# KiCad board -Z.kicad_pcb
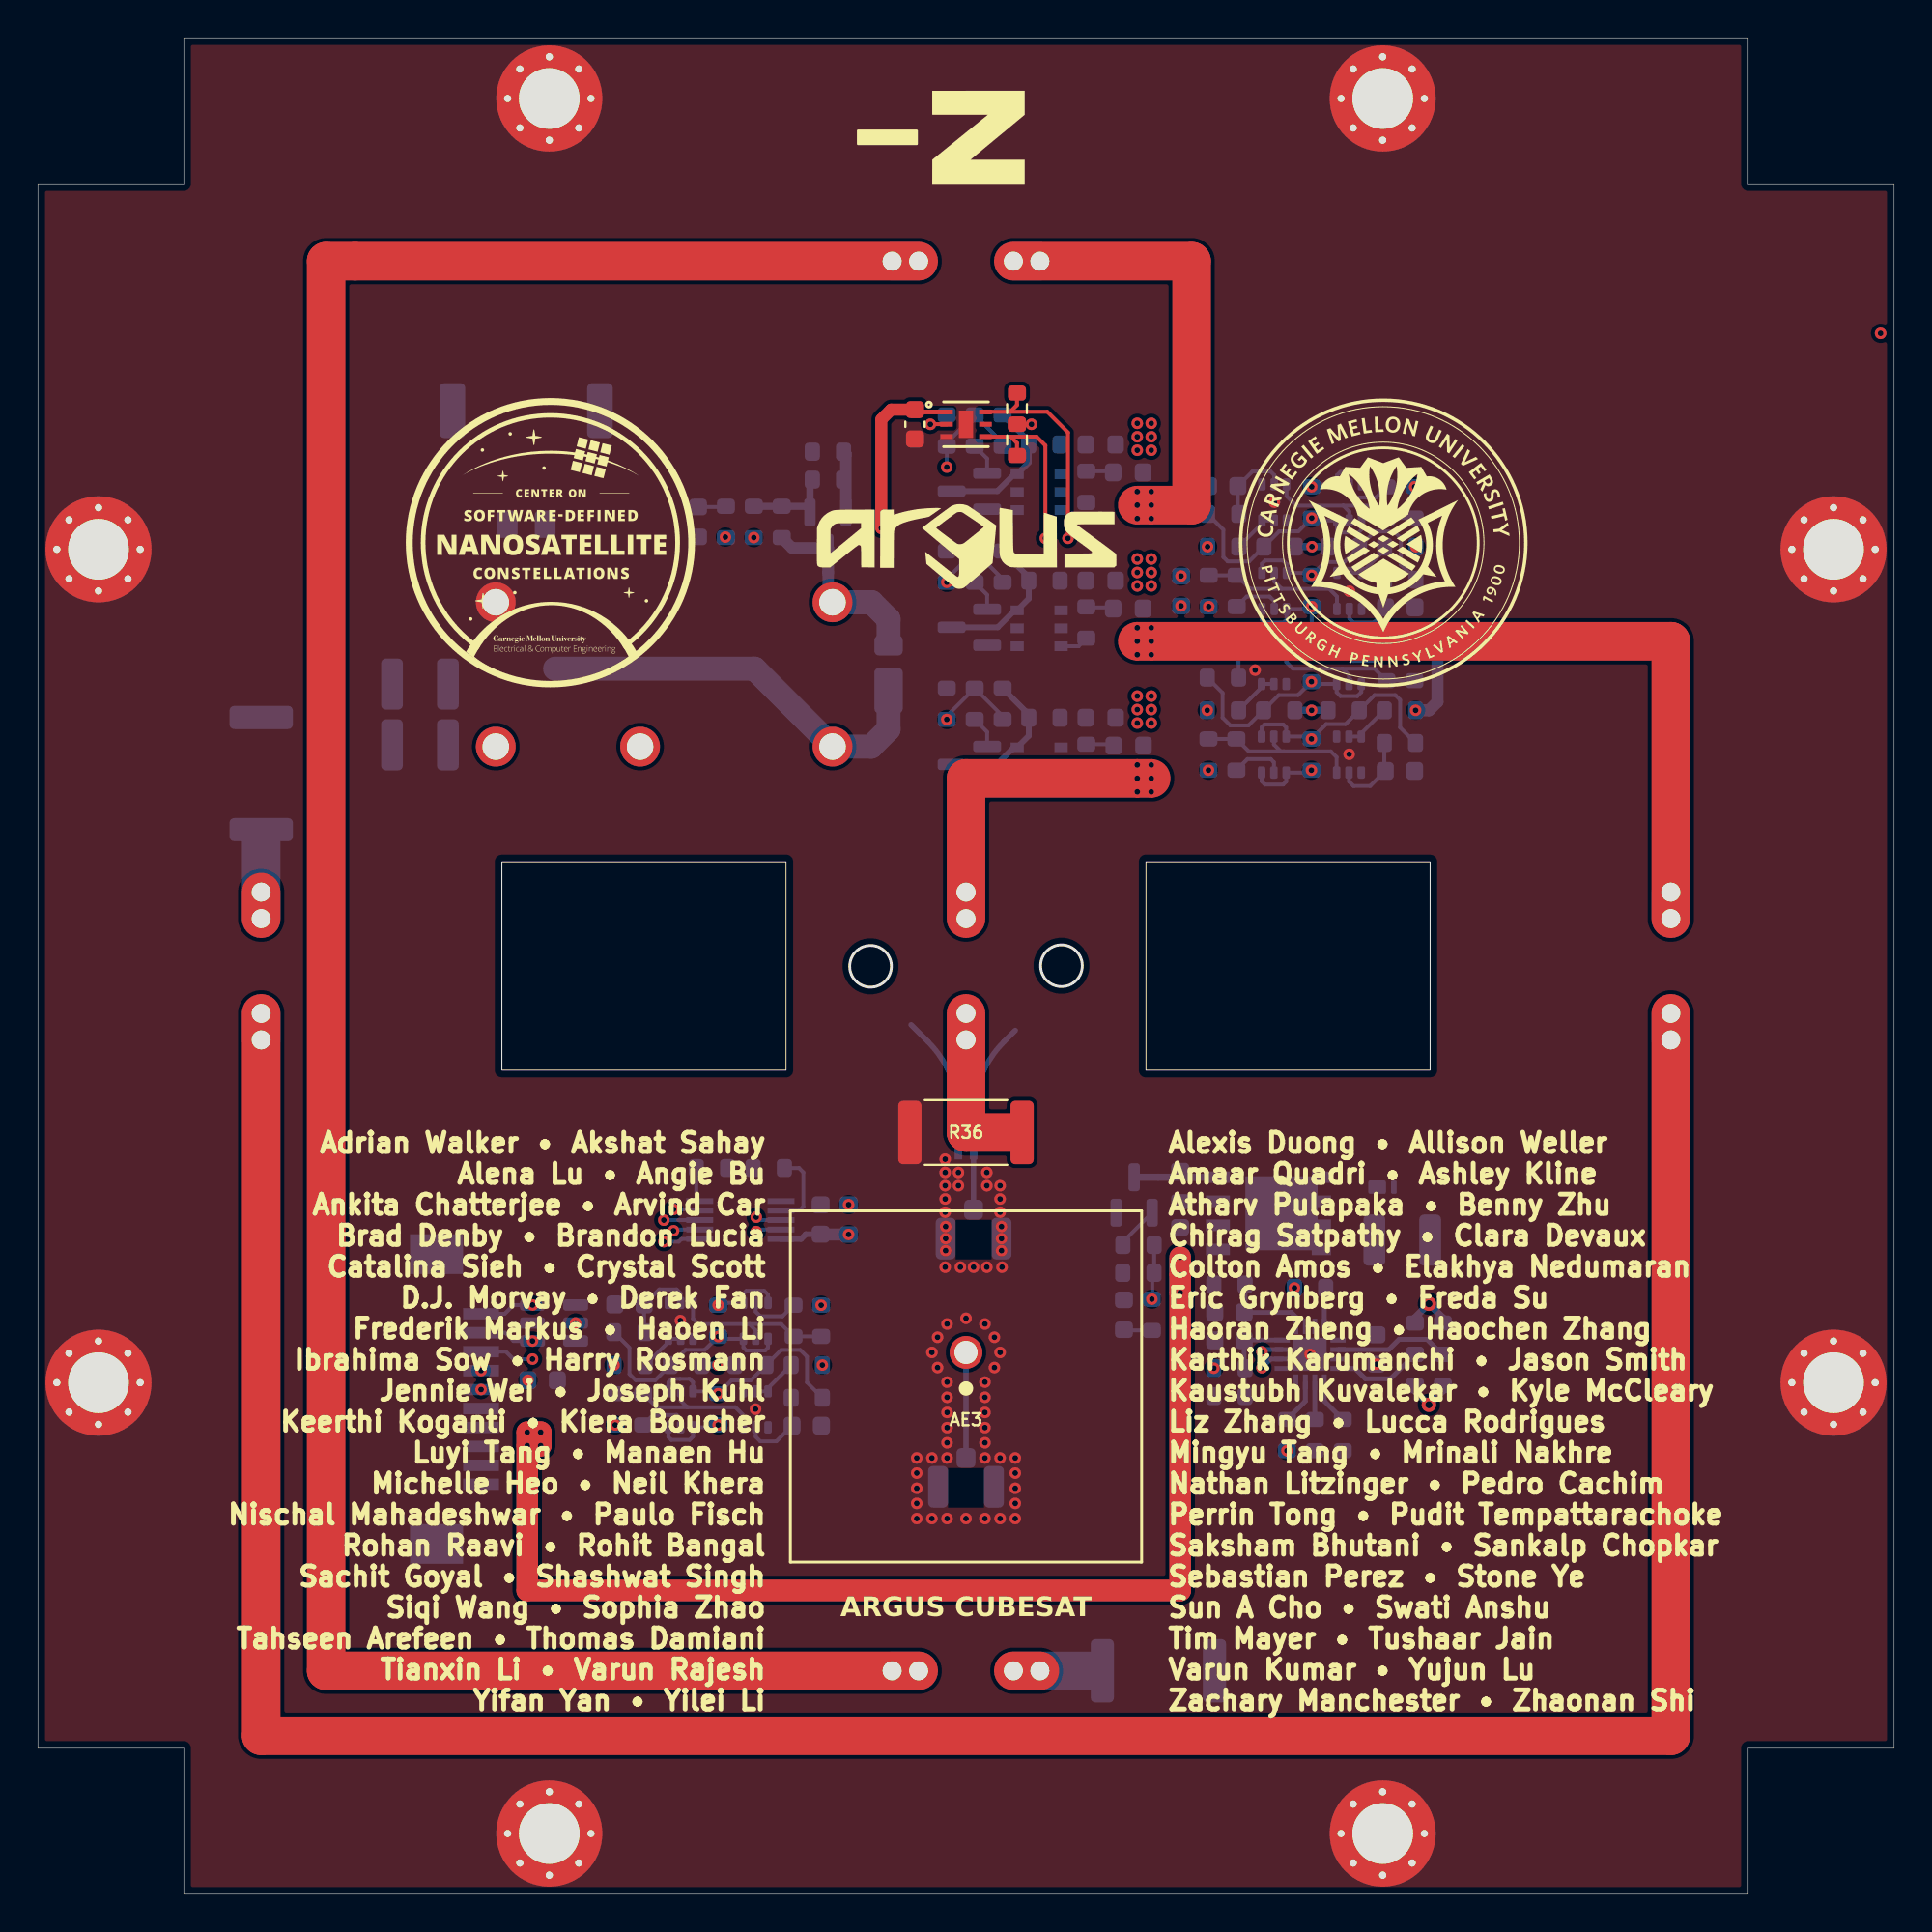
[diagram p0: board, top side]
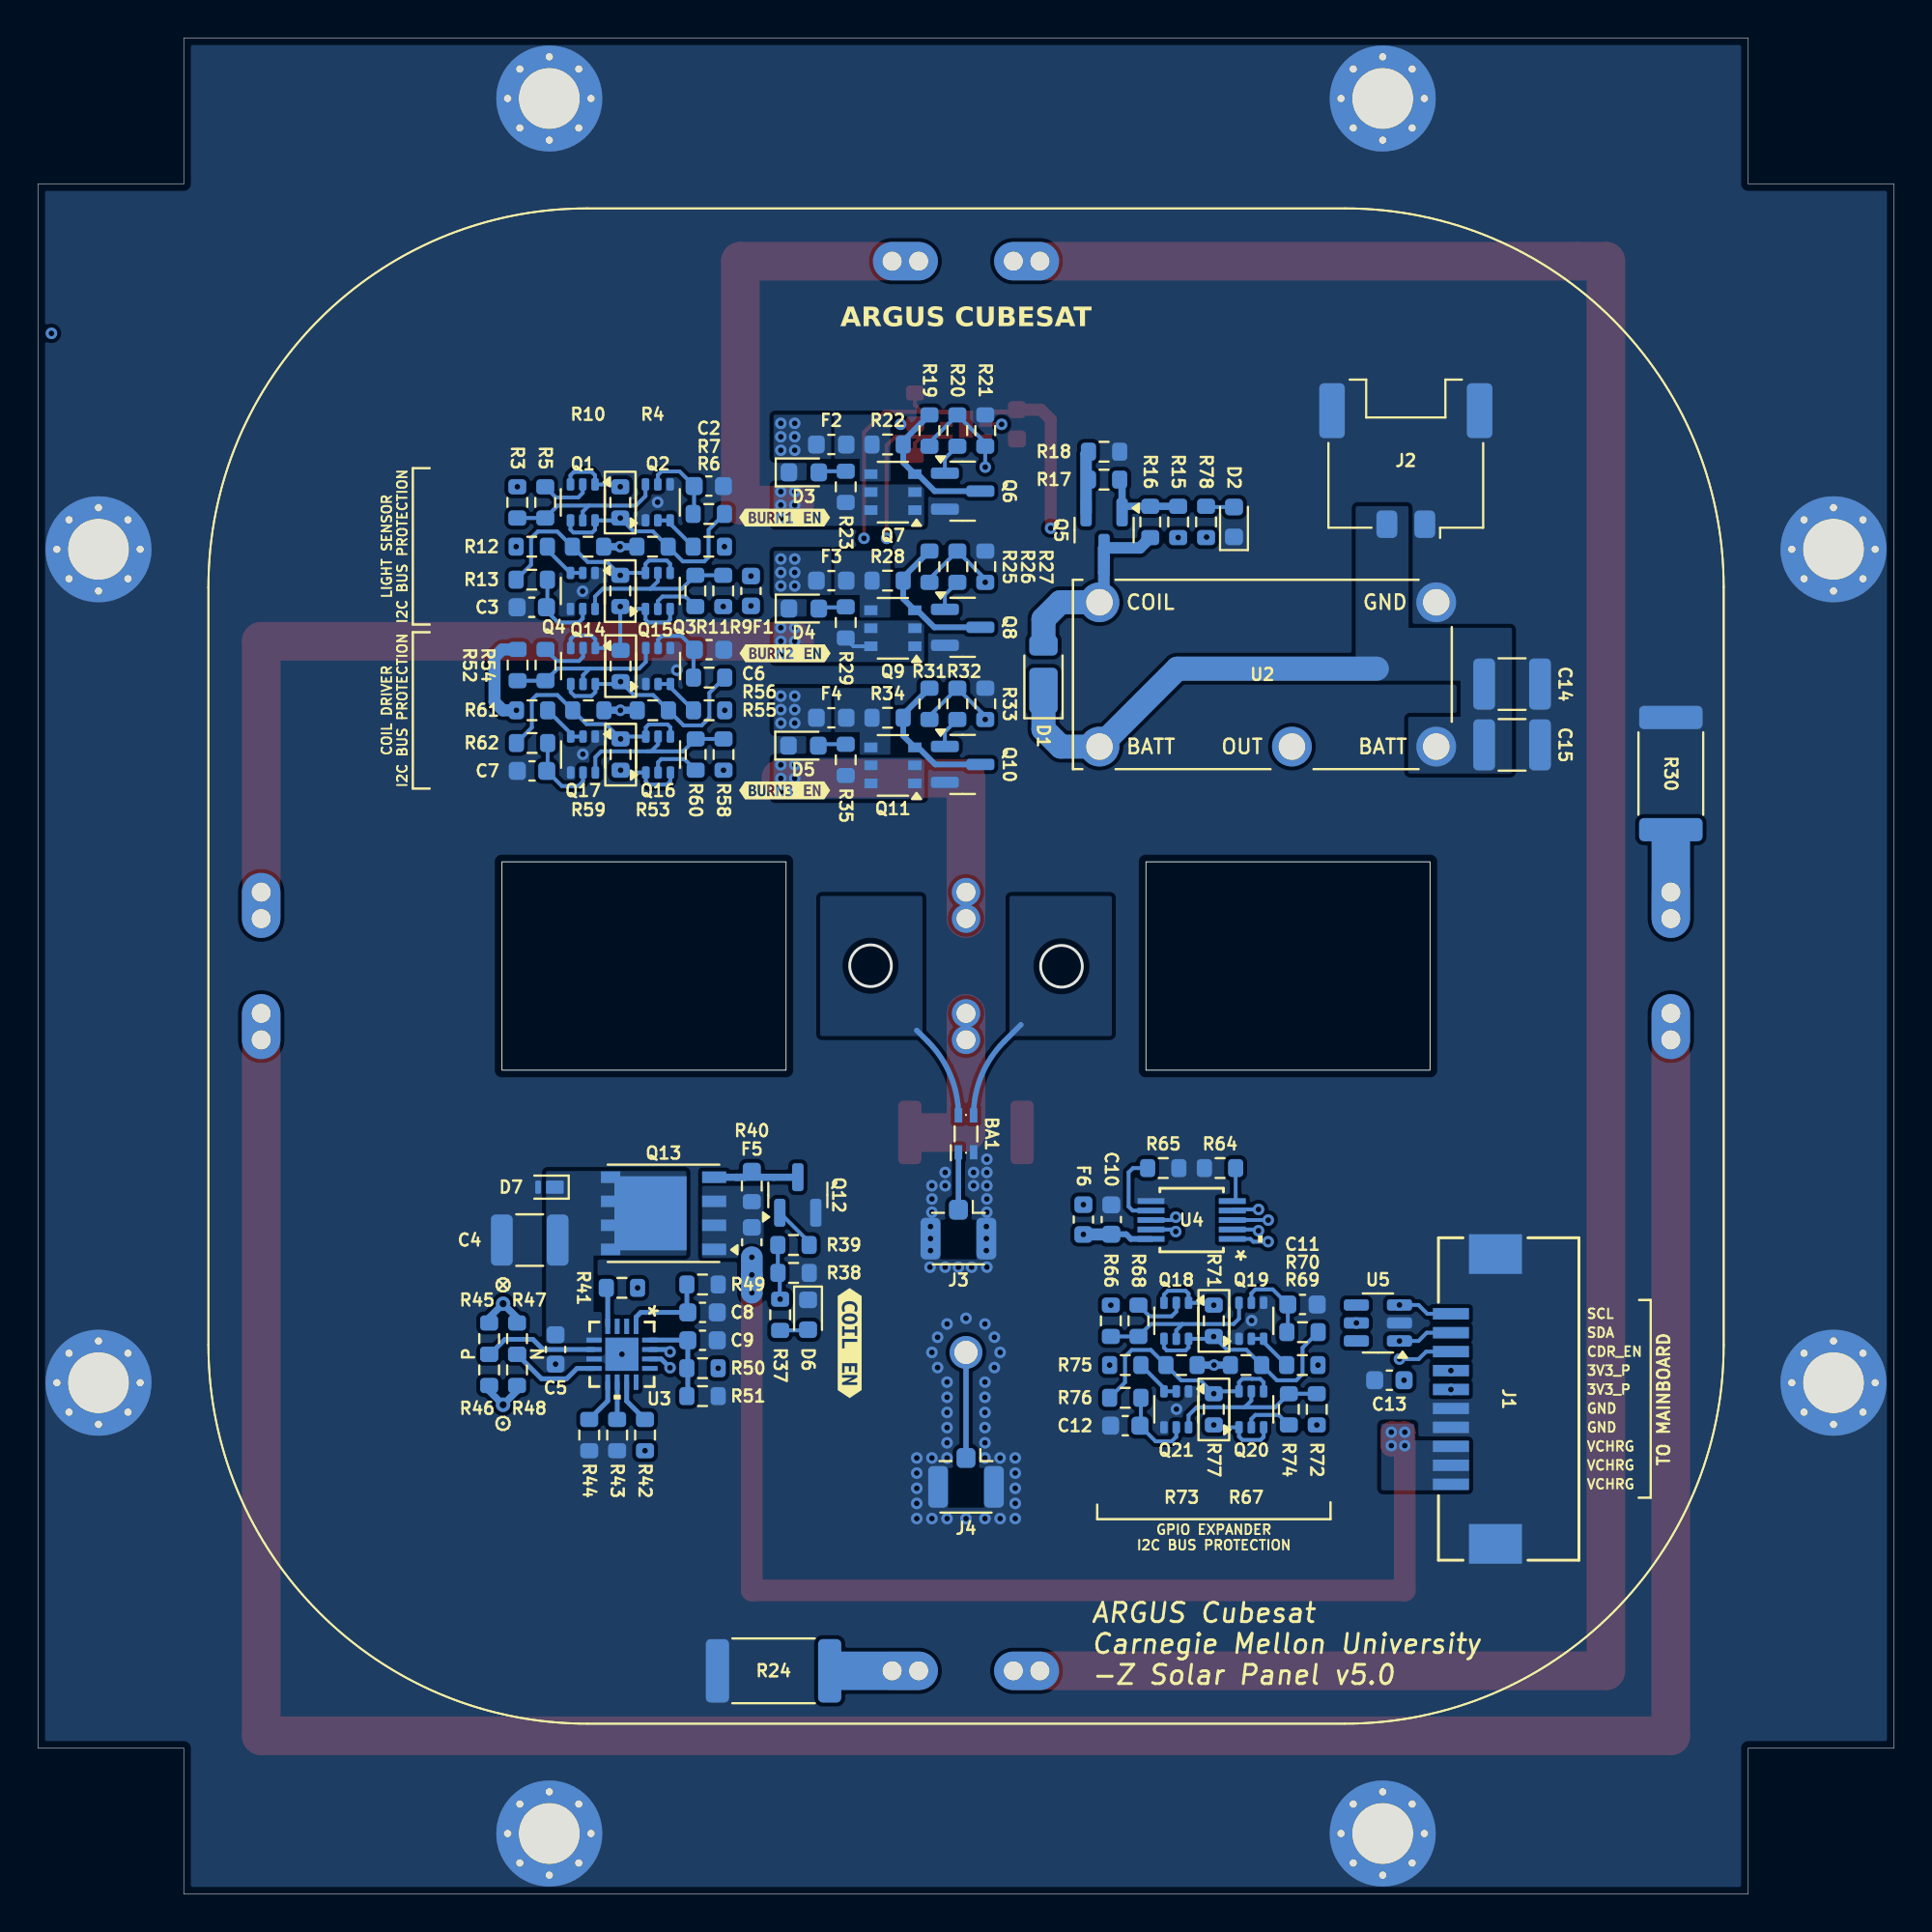
[diagram p1: board, bottom side, seen from below]

Outline 98 x 98 mm; copper layers: Top, In1.Cu, In2.Cu, In3.Cu, In4.Cu, Bottom. Coordinates in mm from the lower left corner of the outline.
Outline path: 0,7.7 0,90.3 7.7,90.3 7.7,98 90.3,98 90.3,90.3 98,90.3 98,7.7 90.3,7.7 90.3,0 7.7,0 7.7,7.7 0,7.7
Stack: Top 0.035mm / dielectric 0.1mm FR4 er 4.5 / In1.Cu 0.035mm / dielectric 0.58mm FR4 er 4.5 / In2.Cu 0.035mm / dielectric 0.1mm FR4 er 4.5 / In3.Cu 0.035mm / dielectric 0.58mm FR4 er 4.5 / In4.Cu 0.035mm / dielectric 0.1mm FR4 er 4.5 / Bottom 0.035mm

## Placement (name value [footprint] x y rotation side)
AE1  MountingHole_Pad  [Antenna Mount v6]  54 49 0 bottom
AE2  MountingHole_Pad  [Antenna Mount v6]  44 49 180 bottom
AE3  CGGBP.18.4.A.02  [ANT_CGGBP.18.4.A.02_TAL]  49 26.7 180 top
BA1  ATB2012-50011-T000  [ATB2012]  49 40.14 90 bottom
C1  100n  [C_0603_1608Metric]  46.31 77.6 270 top
C2  10n  [C_0603_1608Metric]  62.58 74.34 180 bottom
C3  10n  [C_0603_1608Metric]  71.93 67.94 0 bottom
C4  10u  [C_1210_3225Metric]  72.03 34.53 0 bottom
C5  100n  [C_0603_1608Metric]  70.67 28.76 270 bottom
C6  10n  [C_0603_1608Metric]  62.56 65.7 180 bottom
C7  10n  [C_0603_1608Metric]  71.91 59.3 0 bottom
C8  1n  [C_0603_1608Metric]  62.91 30.71 180 bottom
C9  100n  [C_0603_1608Metric]  62.91 29.24 180 bottom
C10  100n  [C_0603_1608Metric]  41.33 35.61 90 bottom
C11  10n  [C_0603_1608Metric]  31.23 31.13 180 bottom
C12  10n  [C_0603_1608Metric]  40.59 24.73 0 bottom
C13  100n  [C_0603_1608Metric]  26.65 27.13 0 bottom
C14  22u  [C_1210_3225Metric]  20.17 63.88 180 bottom
C15  22u  [C_1210_3225Metric]  20.17 60.68 180 bottom
D1  DFLS130LQ-7  [D_PowerDI-123]  44.91 64.39 90 bottom
D2  GREEN  [LED_0603_1608Metric]  34.85 72.44 90 bottom
D3  GREEN  [LED_0603_1608Metric]  57.56 75.06 180 bottom
D4  GREEN  [LED_0603_1608Metric]  57.56 67.87 180 bottom
D5  GREEN  [LED_0603_1608Metric]  57.59 60.63 180 bottom
D6  GREEN  [LED_0603_1608Metric]  57.34 30.59 270 bottom
D7  PTVS10VZ1USK  [Nexperia_DSN1608-2_1.6x0.8mm]  70.99 37.32 0 bottom
F1  100mA  [Fuse_0603_1608Metric]  60.35 68.8 90 bottom
F2  5A  [Fuse_0603_1608Metric]  56.11 76.53 0 bottom
F3  5A  [Fuse_0603_1608Metric]  56.11 69.35 0 bottom
F4  5A  [Fuse_0603_1608Metric]  56.11 62.11 0 bottom
F5  500mA  [Fuse_0603_1608Metric]  60.31 34.41 270 bottom
F6  500mA  [Fuse_0603_1608Metric]  42.8 35.61 90 bottom
G***  LOGO  [Argus Logo]  49 71.3 0 top
H1  MountingHole_Pad  [MountingHole_3.2mm_M3_DIN965_Pad_TopBottom]  71 3.2 180 top
H2  MountingHole_Pad  [MountingHole_3.2mm_M3_DIN965_Pad_TopBottom]  27 3.2 180 top
H3  MountingHole_Pad  [MountingHole_3.2mm_M3_DIN965_Pad_TopBottom]  3.2 27 180 top
H4  MountingHole_Pad  [MountingHole_3.2mm_M3_DIN965_Pad_TopBottom]  3.2 71 180 top
H5  MountingHole_Pad  [MountingHole_3.2mm_M3_DIN965_Pad_TopBottom]  27 94.8 180 top
H6  MountingHole_Pad  [MountingHole_3.2mm_M3_DIN965_Pad_TopBottom]  71 94.8 180 top
H7  MountingHole_Pad  [MountingHole_3.2mm_M3_DIN965_Pad_TopBottom]  94.8 71 180 top
H8  MountingHole_Pad  [MountingHole_3.2mm_M3_DIN965_Pad_TopBottom]  94.8 27 180 top
J1  522711069  [CON_522711069_MOL]  20.35 26.14 90 bottom
J2  205338-0002  [Molex_Pico-Lock_205338-0002_1x02-1MP_P2.00mm_Horizontal]  25.78 75.68 0 bottom
J3  U.FL-R-SMT-1  [U.FL_Hirose_U.FL-R-SMT-1_Vertical]  49.4 35.08 270 bottom
J4  U.FL-R-SMT-1  [U.FL_Hirose_U.FL-R-SMT-1_Vertical]  49 21.98 270 bottom
JP1  BurnWire  [Burn-Wire]  49 86.21 270 top
JP2  BurnWire  [Burn-Wire]  49 11.79 270 bottom
JP3  BurnWire  [Burn-Wire]  86.21 49 180 bottom
JP4  BurnWire  [Burn-Wire]  11.79 49 180 top
JP5  BurnWire  [Burn-Wire]  49 49 0 top
kibuzzard-680A9610  G***  [kibuzzard-680A9610]  55.14 29.09 270 bottom
kibuzzard-6859B2CC  G***  [kibuzzard-6859B2CC]  58.58 72.67 180 bottom
kibuzzard-6859B38B  G***  [kibuzzard-6859B38B]  58.55 65.51 180 bottom
kibuzzard-6859B45F  G***  [kibuzzard-6859B45F]  58.58 58.27 180 bottom
Q1  MBT2222ADW1T1  [SOT-363_SC-70-6]  69.23 73.48 270 bottom
Q2  NX3008NBKS  [SOT-363_SC-70-6]  65.27 73.48 90 bottom
Q3  MBT2222ADW1T1  [SOT-363_SC-70-6]  65.27 68.8 90 bottom
Q4  NX3008NBKS  [SOT-363_SC-70-6]  69.23 68.8 270 bottom
Q5  MMBT2222AT  [SOT-23]  41.71 72.01 270 bottom
Q6  IRLML2803  [SOT-23]  49.18 74.07 180 bottom  (not fitted)
Q7  IRFTS9342PBF  [TSOP-6_1.65x3.05mm_P0.95mm]  52.86 74.02 0 bottom
Q8  IRLML2803  [SOT-23]  49.18 66.88 180 bottom  (not fitted)
Q9  IRFTS9342PBF  [TSOP-6_1.65x3.05mm_P0.95mm]  52.86 66.83 0 bottom
Q10  IRLML2803  [SOT-23]  49.18 59.64 180 bottom  (not fitted)
Q11  IRFTS9342PBF  [TSOP-6_1.65x3.05mm_P0.95mm]  52.86 59.59 0 bottom
Q12  IRLML2803  [SOT-23]  57.88 36.91 90 bottom
Q13  SIRA99DP-T1-GE3  [PowerPAK_SO-8_Single]  64.97 35.94 0 bottom
Q14  MBT2222ADW1T1  [SOT-363_SC-70-6]  69.22 64.84 270 bottom
Q15  NX3008NBKS  [SOT-363_SC-70-6]  65.26 64.84 90 bottom
Q16  MBT2222ADW1T1  [SOT-363_SC-70-6]  65.26 60.16 90 bottom
Q17  NX3008NBKS  [SOT-363_SC-70-6]  69.22 60.16 270 bottom
Q18  MBT2222ADW1T1  [SOT-363_SC-70-6]  37.9 30.27 270 bottom
Q19  NX3008NBKS  [SOT-363_SC-70-6]  33.94 30.27 90 bottom
Q20  MBT2222ADW1T1  [SOT-363_SC-70-6]  33.94 25.59 90 bottom
Q21  NX3008NBKS  [SOT-363_SC-70-6]  37.9 25.59 270 bottom
R1  0R  [R_0603_1608Metric]  51.69 78.43 90 top
R2  0R  [R_0603_1608Metric]  51.69 76.77 90 top  (not fitted)
R3  10k  [R_0603_1608Metric]  72.69 73.48 270 bottom
R4  10k  [R_0603_1608Metric]  65.55 71.14 180 bottom
R5  680R  [R_0603_1608Metric]  71.21 73.48 270 bottom
R6  100k  [R_0603_1608Metric]  62.58 71.14 0 bottom
R7  200k  [R_0603_1608Metric]  62.58 72.87 0 bottom
R8  0R  [R_0603_1608Metric]  67.25 73.48 90 bottom  (not fitted)
R9  10k  [R_0603_1608Metric]  61.82 68.8 90 bottom
R10  10k  [R_0603_1608Metric]  68.95 71.14 0 bottom
R11  680R  [R_0603_1608Metric]  63.29 68.8 90 bottom
R12  100k  [R_0603_1608Metric]  71.93 71.14 180 bottom
R13  200k  [R_0603_1608Metric]  71.93 69.4 180 bottom
R14  0R  [R_0603_1608Metric]  67.25 68.8 270 bottom  (not fitted)
R15  TBD  [R_0603_1608Metric]  37.8 72.44 90 bottom
R16  0R  [R_0603_1608Metric]  39.27 72.44 270 bottom  (not fitted)
R17  10k  [R_0603_1608Metric]  41.71 74.68 0 bottom
R18  TBD  [R_0603_1608Metric]  41.71 76.15 180 bottom
R19  0R  [R_0603_1608Metric]  50.93 77.27 270 bottom
R20  4k7  [R_0603_1608Metric]  49.46 77.27 90 bottom
R21  10k  [R_0603_1608Metric]  47.98 77.27 90 bottom  (not fitted)
R22  1k  [R_0603_1608Metric]  53.14 76.53 0 bottom
R23  2k7  [R_0603_1608Metric]  55.35 74.3 90 bottom
R24  1R  [R_2512_6332Metric]  59.16 11.79 180 bottom
R25  0R  [R_0603_1608Metric]  50.93 70.08 270 bottom
R26  4k7  [R_0603_1608Metric]  49.46 70.08 90 bottom
R27  10k  [R_0603_1608Metric]  47.98 70.08 90 bottom  (not fitted)
R28  1k  [R_0603_1608Metric]  53.14 69.35 0 bottom
R29  2k7  [R_0603_1608Metric]  55.35 67.14 90 bottom
R30  1R  [R_2512_6332Metric]  11.79 59.16 270 bottom
R31  0R  [R_0603_1608Metric]  50.93 62.84 270 bottom
R32  4k7  [R_0603_1608Metric]  49.46 62.84 90 bottom
R33  10k  [R_0603_1608Metric]  47.98 62.84 90 bottom  (not fitted)
R34  1k  [R_0603_1608Metric]  53.14 62.11 0 bottom
R35  2k7  [R_0603_1608Metric]  55.35 59.88 90 bottom
R36  1R  [R_2512_6332Metric]  49 40.21 0 top
R37  2k7  [R_0603_1608Metric]  58.81 30.59 270 bottom
R38  10k  [R_0603_1608Metric]  58.1 32.8 0 bottom
R39  4k7  [R_0603_1608Metric]  58.11 34.27 180 bottom
R40  10k  [R_0603_1608Metric]  60.31 37.38 270 bottom
R41  10k  [R_0603_1608Metric]  67.16 32.01 0 bottom
R42  1k  [R_0603_1608Metric]  65.95 24.23 270 bottom
R43  0R  [R_0603_1608Metric]  67.42 24.23 90 bottom
R44  0R  [R_0603_1608Metric]  68.89 24.23 90 bottom  (not fitted)
R45  0R  [R_0603_1608Metric]  74.18 29.33 90 bottom  (not fitted)
R46  0R  [R_0603_1608Metric]  74.18 27.68 90 bottom
R47  0R  [R_0603_1608Metric]  72.7 29.33 90 bottom
R48  0R  [R_0603_1608Metric]  72.7 27.68 90 bottom  (not fitted)
R49  560R  [R_0603_1608Metric]  62.91 32.19 180 bottom
R50  TBD  [R_0603_1608Metric]  62.91 27.77 0 bottom
R51  TBD  [R_0603_1608Metric]  62.91 26.29 180 bottom
R52  10k  [R_0603_1608Metric]  72.67 64.89 270 bottom
R53  10k  [R_0603_1608Metric]  65.54 62.5 180 bottom
R54  680R  [R_0603_1608Metric]  71.2 64.89 270 bottom
R55  100k  [R_0603_1608Metric]  62.56 62.5 0 bottom
R56  200k  [R_0603_1608Metric]  62.56 64.23 0 bottom
R57  0R  [R_0603_1608Metric]  67.24 64.84 90 bottom  (not fitted)
R58  10k  [R_0603_1608Metric]  61.8 60.16 90 bottom
R59  10k  [R_0603_1608Metric]  68.94 62.5 0 bottom
R60  680R  [R_0603_1608Metric]  63.27 60.16 90 bottom
R61  100k  [R_0603_1608Metric]  71.91 62.5 180 bottom
R62  200k  [R_0603_1608Metric]  71.91 60.77 180 bottom
R63  0R  [R_0603_1608Metric]  67.24 60.16 270 bottom  (not fitted)
R64  0R  [R_0603_1608Metric]  35.59 38.33 180 bottom
R65  0R  [R_0603_1608Metric]  38.59 38.33 0 bottom
R66  10k  [R_0603_1608Metric]  41.35 30.27 270 bottom
R67  10k  [R_0603_1608Metric]  34.22 27.93 180 bottom
R68  680R  [R_0603_1608Metric]  39.89 30.27 270 bottom
R69  100k  [R_0603_1608Metric]  31.24 27.93 0 bottom
R70  200k  [R_0603_1608Metric]  31.23 29.67 0 bottom
R71  0R  [R_0603_1608Metric]  35.92 30.27 90 bottom  (not fitted)
R72  10k  [R_0603_1608Metric]  30.48 25.59 90 bottom
R73  10k  [R_0603_1608Metric]  37.62 27.93 0 bottom
R74  680R  [R_0603_1608Metric]  31.96 25.59 90 bottom
R75  100k  [R_0603_1608Metric]  40.59 27.93 180 bottom
R76  200k  [R_0603_1608Metric]  40.59 26.2 180 bottom
R77  0R  [R_0603_1608Metric]  35.92 25.59 270 bottom  (not fitted)
R78  2k7  [R_0603_1608Metric]  36.33 72.44 90 bottom
Ref**  Val**  [ypanel]  49 93 0 top
U1  OPT4003DNPRQ1  [OPT4003]  49 77.6 0 top
U2  PE014006  [RELAY_PE014006]  33.35 64.39 180 bottom
U3  DRV8235RTER  [WQFN16_RTE_TEX]  67.16 28.5 270 bottom
U4  PCA9633DP2  [SOT552-1_NXP]  37.09 35.59 0 bottom
U5  D5V0P4UR6SO  [SOT-23-6]  27.25 30.15 0 bottom

## Library data of the parts
AE1 AE2 = -: ki_fp_filters: MountingHole*Pad*
AE3 = -: Description: Antenna; Field5: GPS Antenna
BA1 = -: Datasheet: https://www.johansontechnology.com/datasheets/0868BM15C0001/0868BM15C0001.pdf; ki_fp_filters: Balun*Johanson*0896BM15A0001*
C1-C9 C11 C12 = -: Description: Unpolarized capacitor, small symbol; ki_fp_filters: C_*
C10 = -: Description: 3.3nF +-10% 100V X7R 0603; ki_fp_filters: C_*
C13-C15 = -: Description: Unpolarized capacitor, small symbol; MPN: C307348; ki_fp_filters: C_*
D1 = -: Description: Diode; Sim.Device: D; Sim.Pins: 1=K 2=A; ki_fp_filters: TO-???* *_Diode_* *SingleDiode* D_*
D2-D6 = -: Description: Light emitting diode, small symbol; DIS: Digi-Key; DPN: 1830-1064-1-ND; MFR: Inolux; MPN: IN-S63AT5A; ki_fp_filters: LED* LED_SMD:* LED_THT:*
D7 = -: Datasheet: https://assets.nexperia.com/documents/data-sheet/PTVS10VZ1USK.pdf; Description: 10V, 2000W TVS unidirectional diode, DSN1608-2; Field5: 10V; ki_fp_filters: *DSN1608?2*
F1-F6 = -: Description: Fuse, small symbol; ki_fp_filters: *Fuse*
H1-H8 = -: Description: Mounting Hole with connection; ki_fp_filters: MountingHole*Pad*
J1 = -: Description: Generic connectable mounting pin connector, single row, 01x10, script generated (kicad-library-utils/schlib/autogen/connector/); ki_fp_filters: Connector*:*_1x??-1MP*
J2 = -: Description: Generic connectable mounting pin connector, single row, 01x02, script generated (kicad-library-utils/schlib/autogen/connector/); ki_fp_filters: Connector*:*_1x??-1MP*
J3 J4 = -: Description: coaxial connector (BNC, SMA, SMB, SMC, Cinch/RCA, LEMO, ...); ki_fp_filters: *BNC* *SMA* *SMB* *SMC* *Cinch* *LEMO* *UMRF* *MCX* *U.FL*
JP1-JP5 = -: ki_fp_filters: Jumper* TestPoint*2Pads* TestPoint*Bridge*
Q1 Q3 Q14 Q16 Q18 Q20 = -: Datasheet: http://www.onsemi.com/pub_link/Collateral/MBT2222ADW1T1-D.PDF; Description: Dual NPN BJT - 2NPN; Flight: MBT2222ADW1T1G; Manufacturer_Name: ON Semiconductor; Manufacturer_Part_Number: MBT2222ADW1T1G; Proto: MBT2222ADW1T1G; ki_fp_filters: SOT?363*
Q2 Q4 Q15 Q17 Q19 Q21 = -: Datasheet: https://assets.nexperia.com/documents/data-sheet/NX3008NBKS.pdf; Description: Dual N-Channel MOSFET - 2NMOS; Manufacturer_Name: Nexperia USA Inc.
Q5 = -: Datasheet: https://www.onsemi.com/pdf/datasheet/mmbt2222att1-d.pdf; Description: Single NPN BJT; Flight: NSVMMBT2222ATT1G; Manufacturer_Name: ON Semiconductor; Manufacturer_Part_Number: MMBT2222ALT1G; Proto: MMBT2222ALT1G
Q6 Q8 Q10 Q12 = -: ki_fp_filters: SOT?23*
Q7 Q9 Q11 = -: Datasheet: https://www.infineon.com/dgdl/irfts9342pbf.pdf?fileId=5546d462533600a40153563aeabc21f3; Description: -5.8A Id, -30V Vds, 40mOhm Rds, P-Channel HEXFET Power MOSFET, TSOP-6; ki_fp_filters: TSOP*1.65x3.05mm*P0.95mm*
Q13 = -: Datasheet: https://www.vishay.com/docs/65596/si7141dp.pdf; Description: -60A Id, -20V Vds, 1.9 mOhm Ron, PowerPAK-8; MPN: C3289459; ki_fp_filters: PowerPAK*SO*Single*
R1-R7 R9-R13 R15-R22 R24-R28 R30-R34 R36 R39 R41-R56 R58-R62 R64-R70 R72-R76 = -: Description: Resistor, small symbol; ki_fp_filters: R_*
R8 R14 R57 R63 R71 R77 = -: Description: Resistor, small symbol; DNI: DNI; ki_fp_filters: R_*
R23 R29 R35 R37 R78 = -: Description: Resistor, small symbol; DIS: Digi-Key; DPN: A129693CT-ND; MFR: TE; MPN: CRGCQ0603F2K7; ki_fp_filters: R_*
R38 R40 = -: Description: Resistor, small symbol; DIS: Digi-Key; DPN: 311-10.0KHRCT-ND; MFR: Yageo; MPN: RC0603FR-0710KL; ki_fp_filters: R_*
U1 = -: ki_fp_filters: USON6_DNP_TEX USON6_DNP_TEX-M USON6_DNP_TEX-L
U2 = -: Datasheet: https://www.te.com/usa-en/product-PE014006.html; Description: 5A 6V SPDT General Purpose Relay; Flight: PE014006 TE; Manufacturer_Name: TE Connectivity; Manufacturer_Part_Number: PE014006 TE; Proto: TE Connectivity
U3 = -: ki_fp_filters: WQFN16_RTE_TEX
U4 = -: ki_fp_filters: SOT552-1_NXP SOT552-1_NXP-M SOT552-1_NXP-L
U5 = -: Datasheet: http://www.onsemi.com/pub/Collateral/SRV05-4-D.PDF; Description: ESD Protection Diodes with Low Clamping Voltage, SOT-23-6; MPN: C531179; ki_fp_filters: SOT?23*

## Footprints (pads in the part's own frame, mm; a bottom-side part is the same pattern mirrored in y, then rotated)
ANT_CGGBP.18.4.A.02_TAL
  round 1.727 hole 1.219: 1(0,-1.905)
ATB2012
  rect 0.75x0.4 smd: 1(-0.975,0.4) 2(-0.975,-0.4) 3(0.975,-0.4) 4(0.975,0.4)
Burn-Wire
  round 1.5 hole 1: 1(0,3.9) 1(0,2.5) 2(0,-2.5) 2(0,-3.9)
C_0603_1608Metric
  rrect 0.9x0.95 smd: 1(-0.775,0) 2(0.775,0)
C_1210_3225Metric
  rrect 1.15x2.7 smd: 1(-1.475,0) 2(1.475,0)
CON_522711069_MOL
  rect 0.6x1.9 smd: 1(-4.5,3.05) 2(-3.5,3.05) 3(-2.5,3.05) 4(-1.5,3.05) 5(-0.5,3.05) 6(0.5,3.05) 7(1.5,3.05) 8(2.5,3.05) 9(3.5,3.05) 10(4.5,3.05)
  rect 2.1x2.8 smd: MP(-7.65,0.7) MP(7.65,0.7)
D_PowerDI-123
  rrect 2.4x1.5 smd: 1(-0.85,0)
  rrect 1.05x1.5 smd: 2(1.525,0)
Fuse_0603_1608Metric
  rrect 0.875x0.95 smd: 1(-0.788,0) 2(0.788,0)
LED_0603_1608Metric
  rrect 0.875x0.95 smd: 1(-0.788,0) 2(0.788,0)
Molex_Pico-Lock_205338-0002_1x02-1MP_P2.00mm_Horizontal
  rrect 1.1x1.45 smd: 1(-1,3.36) 2(1,3.36)
  rrect 1.35x2.9 smd: MP(-3.895,-2.635) MP(3.895,-2.635)
MountingHole_3.2mm_M3_DIN965_Pad_TopBottom
  round 0.762 hole 0.381: 1(-2.2,0) 1(-1.556,1.556) 1(-1.556,-1.556) 1(0,2.2) 1(0,-2.2) 1(1.556,1.556) 1(1.556,-1.556) 1(2.2,0)
  round 3.8 hole 3.2: 1(0,0)
  round 5.6 smd: 1(0,0)
  round 5.6 smd far side: 1(0,0)
Nexperia_DSN1608-2_1.6x0.8mm
  rrect 0.93x0.7 smd: 1(-0.285,0)
  rrect 0.3x0.7 smd: 2(0.6,0)
OPT4003
  rect 0.66x0.254 smd: 1(-1.029,0.65) 2(-1.029,0) 3(-1.029,-0.65) 4(1.029,-0.65) 5(1.029,0) 6(1.029,0.65)
  rect 0.762x1.448 smd: 7(0,0)
PowerPAK_SO-8_Single
  rect 1.27x0.61 smd: 1(-2.67,1.905) 2(-2.67,0.635) 3(-2.67,-0.635) 4(-2.67,-1.905)
  rect 3.81x3.91 smd: 5(0.69,0)
  rect 1.02x0.61 smd: 5(2.795,-1.905) 5(2.795,-0.635) 5(2.795,0.635) 5(2.795,1.905)
R_0603_1608Metric
  rrect 0.8x0.95 smd: 1(-0.825,0) 2(0.825,0)
R_2512_6332Metric
  rrect 1.225x3.35 smd: 1(-2.962,0) 2(2.962,0)
RELAY_PE014006
  round 2.1 hole 1.4: 11(1.56,-3.81) 12(9.18,3.81) 14(9.18,-3.81) A1(-8.6,-3.81) A2(-8.6,3.81)
SOT552-1_NXP
  rect 1.422x0.305 smd: 1(-2.146,1) 2(-2.146,0.5) 3(-2.146,0) 4(-2.146,-0.5) 5(-2.146,-1) 6(2.146,-1) 7(2.146,-0.5) 8(2.146,0) 9(2.146,0.5) 10(2.146,1)
SOT-23
  rrect 1.475x0.6 smd: 1(-0.938,0.95) 2(-0.938,-0.95) 3(0.938,0)
SOT-23-6
  rrect 1.325x0.6 smd: 1(-1.137,0.95) 2(-1.137,0) 3(-1.137,-0.95) 4(1.137,-0.95) 5(1.137,0) 6(1.137,0.95)
SOT-363_SC-70-6
  rrect 0.65x0.4 smd: 1(-0.95,0.65) 2(-0.95,0) 3(-0.95,-0.65) 4(0.95,-0.65) 5(0.95,0) 6(0.95,0.65)
TSOP-6_1.65x3.05mm_P0.95mm
  rect 0.7x0.51 smd: 1(-1.16,0.95) 2(-1.16,0) 3(-1.16,-0.95) 4(1.16,-0.95) 5(1.16,0) 6(1.16,0.95)
U.FL_Hirose_U.FL-R-SMT-1_Vertical
  rrect 1.05x1 smd: 1(-1.05,0)
  rrect 2.2x1.05 smd: 2(0.475,-1.475) 2(0.475,1.475)
WQFN16_RTE_TEX
  rect 0.813x0.254 smd: 1(-1.473,0.75) 2(-1.473,0.25) 3(-1.473,-0.25) 4(-1.473,-0.75) 9(1.473,-0.75) 10(1.473,-0.25) 11(1.473,0.25) 12(1.473,0.75)
  rect 0.254x0.813 smd: 5(-0.75,-1.473) 6(-0.25,-1.473) 7(0.25,-1.473) 8(0.75,-1.473) 13(0.75,1.473) 14(0.25,1.473) 15(-0.25,1.473) 16(-0.75,1.473)
  rect 1.753x1.753 smd: 17(0,0)
